# Altium PCB ESC_type_6_000.PcbDoc (part 1 of 3)
Units mil, origin at the board's own origin, x right, y up, seen from the top; angles counter-clockwise.
Board outline 2362.34 x 2362.34 mil, 4 copper layers (Top Layer, Signal Layer 1, Signal Layer 2, Bottom Layer), stack 65.634 mil thick; 137 components, 109 nets, 523 pads, 654 vias.
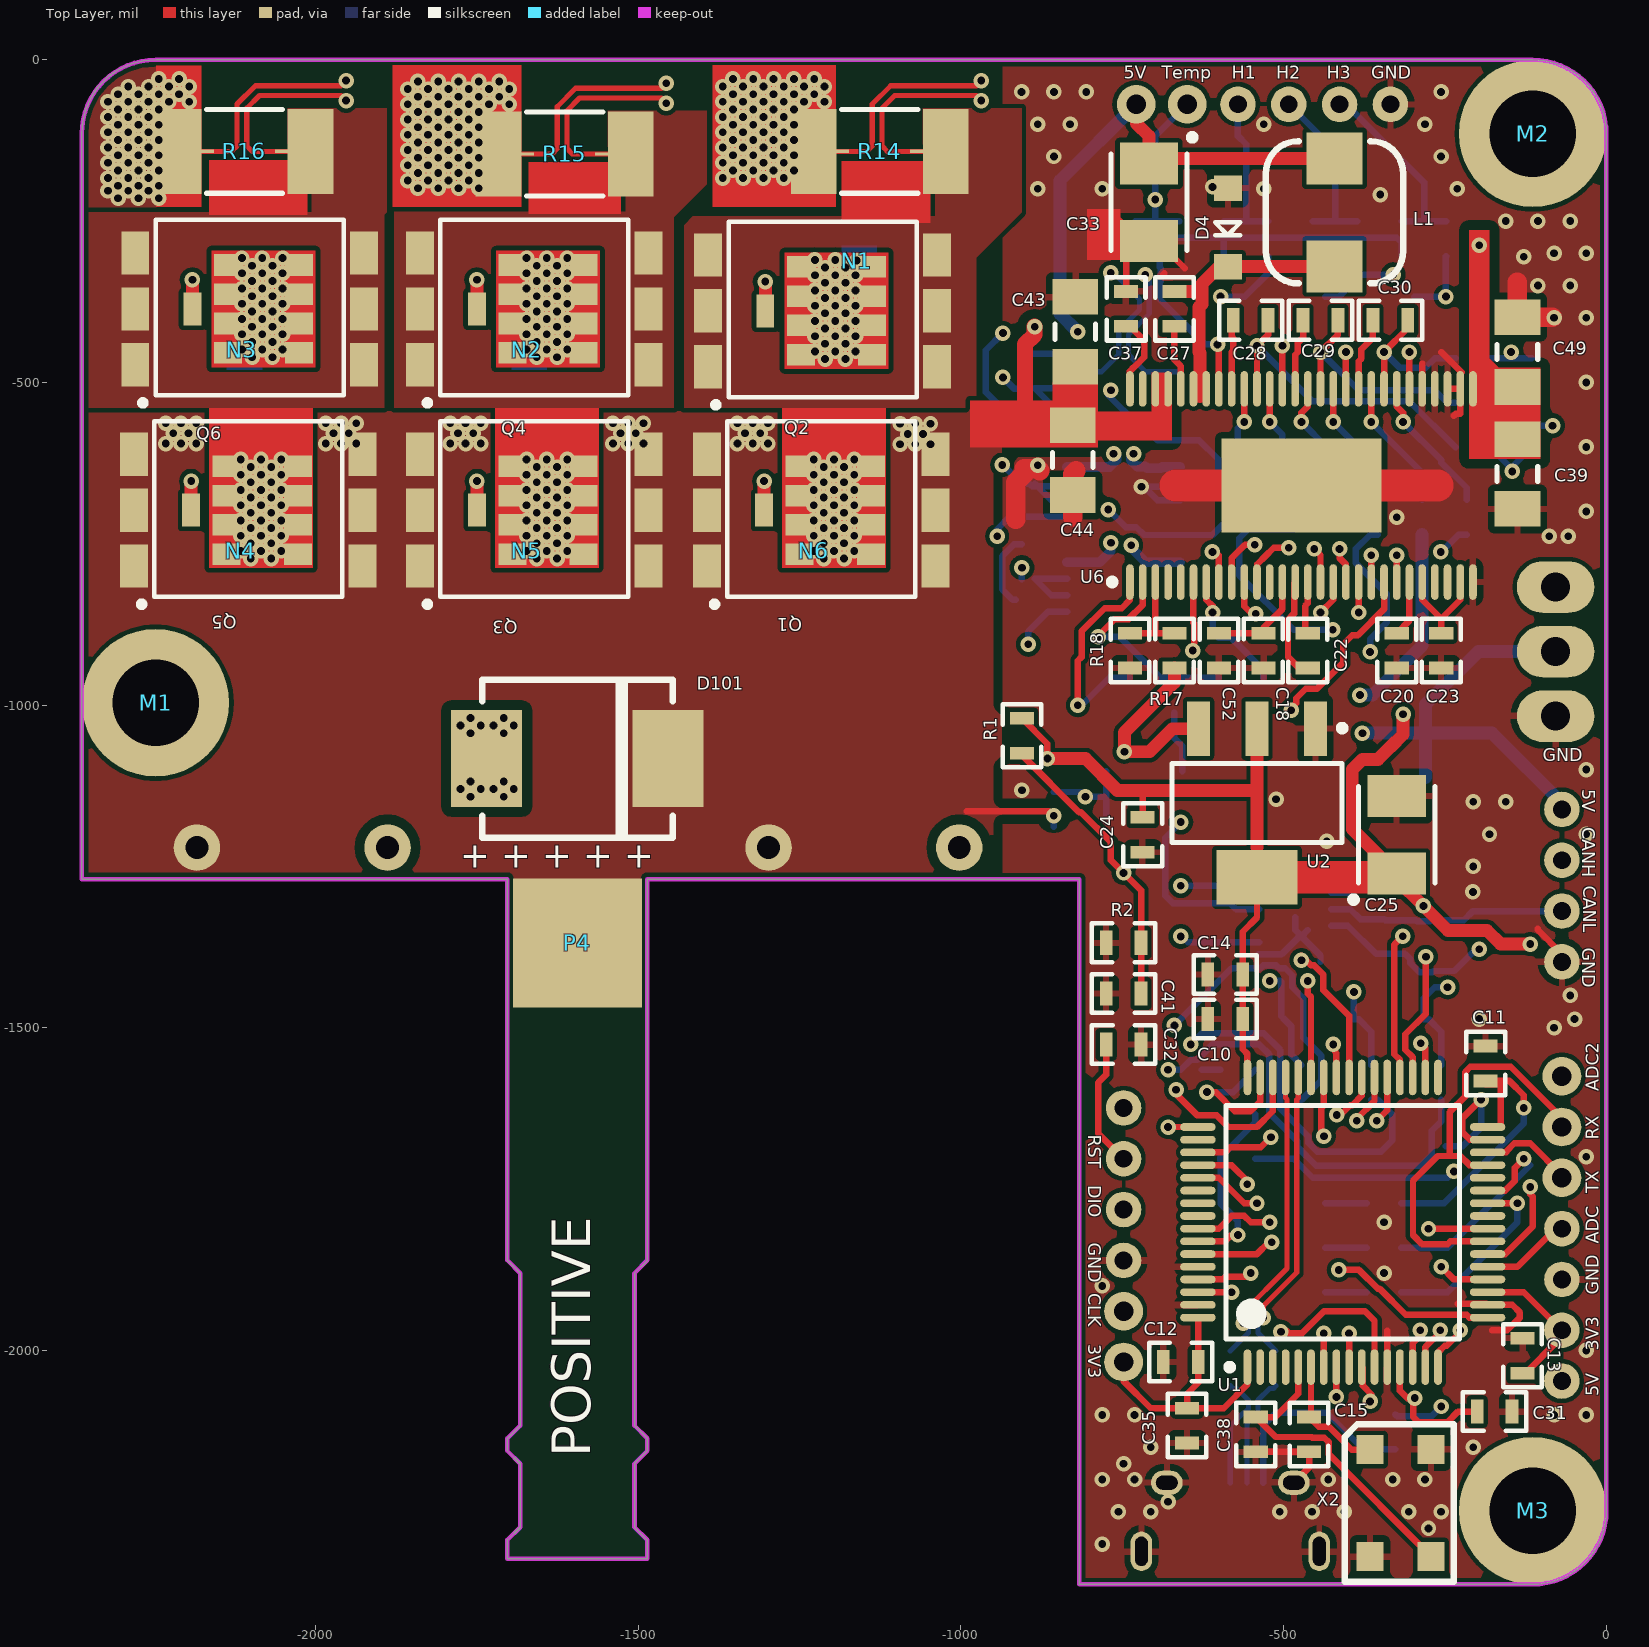
[diagram p0: Top Layer view]
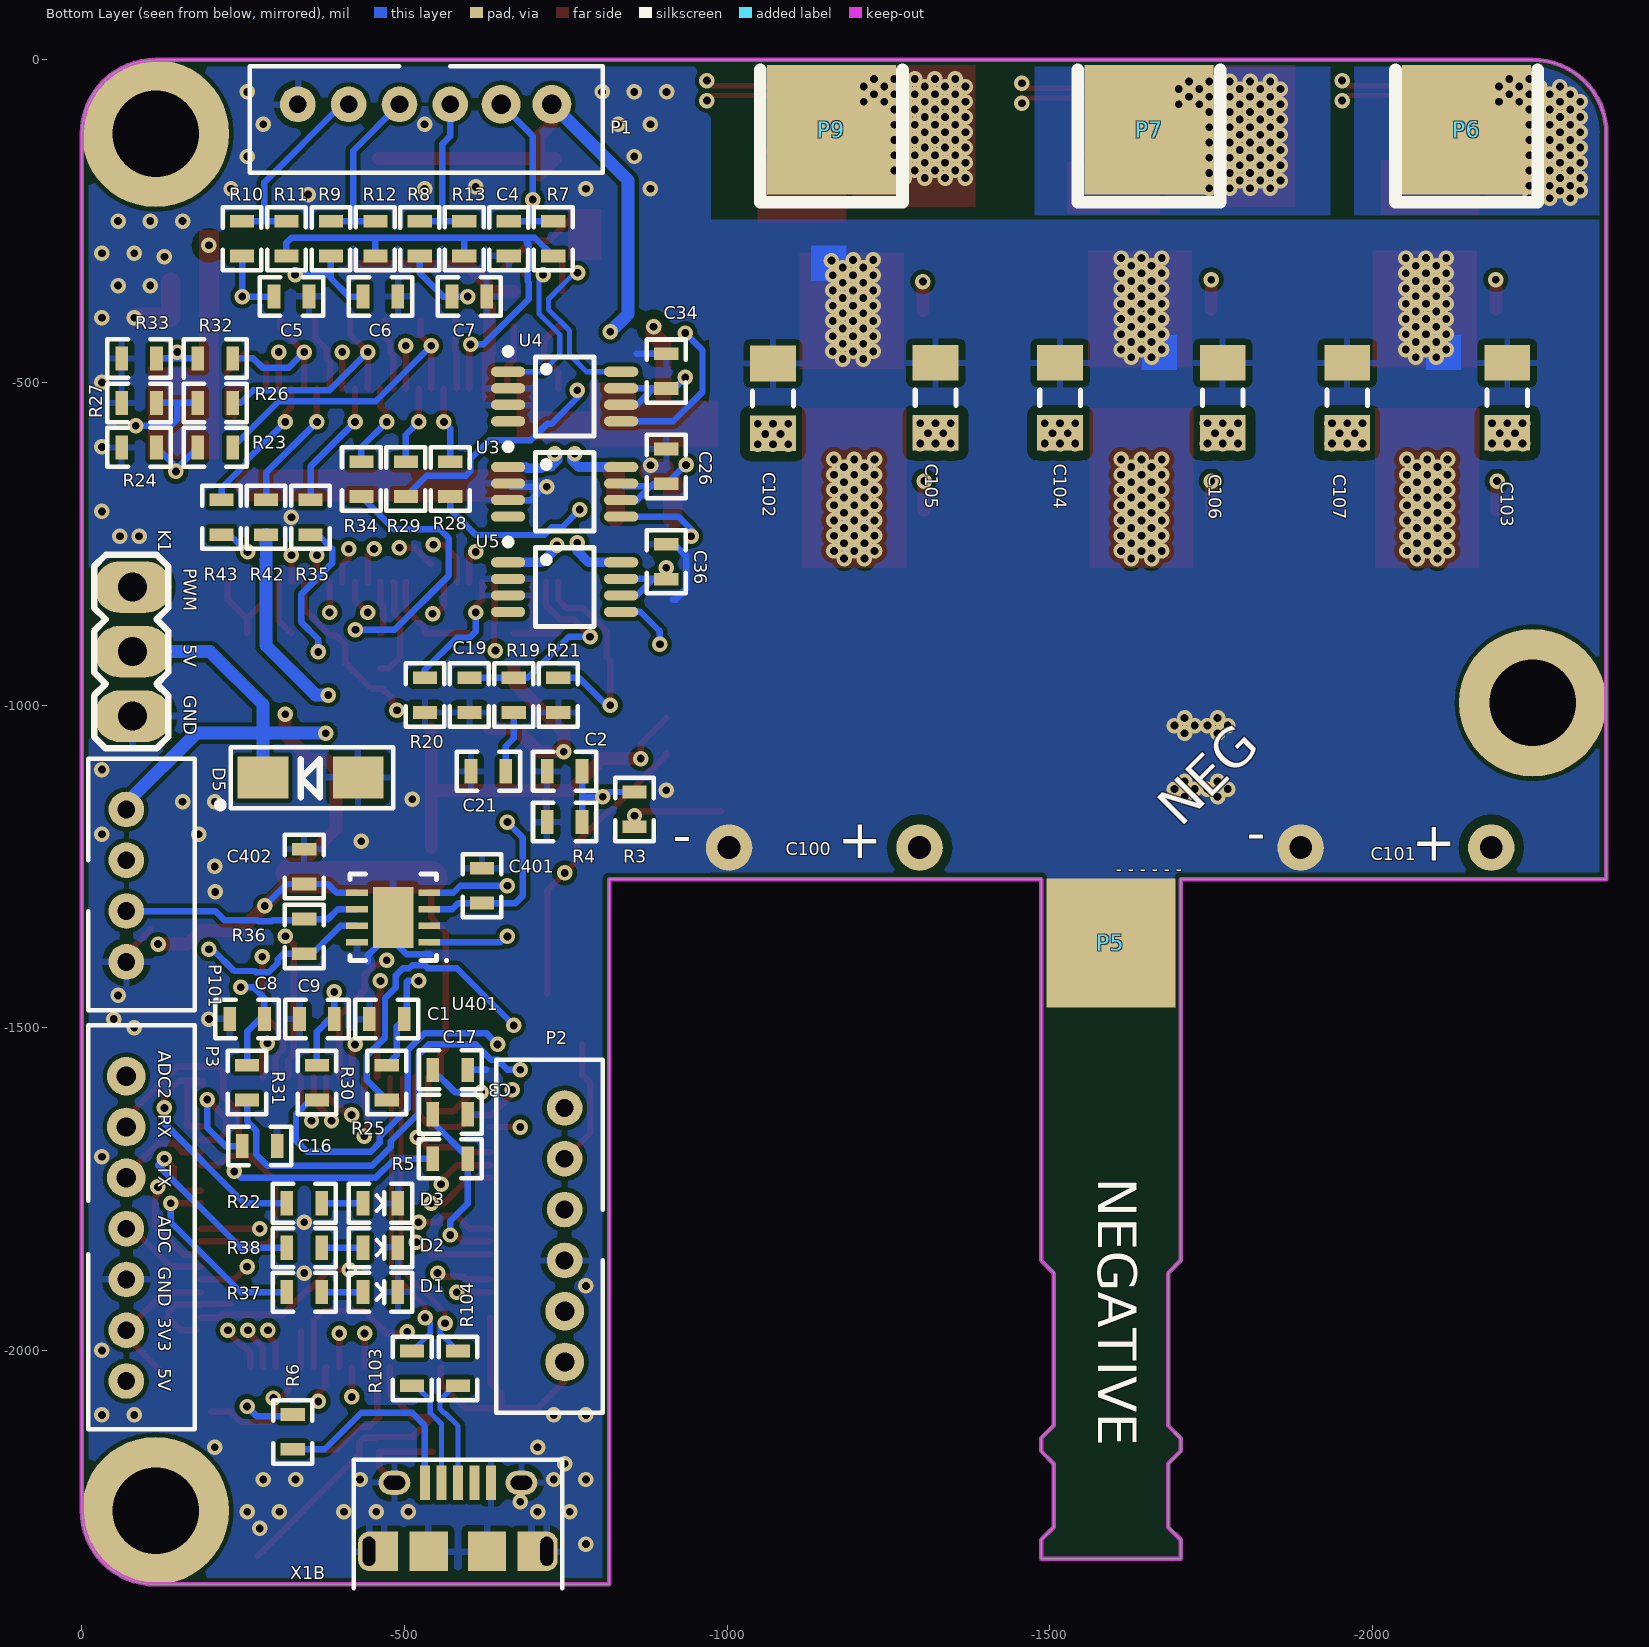
[diagram p1: Bottom Layer view, seen from below]
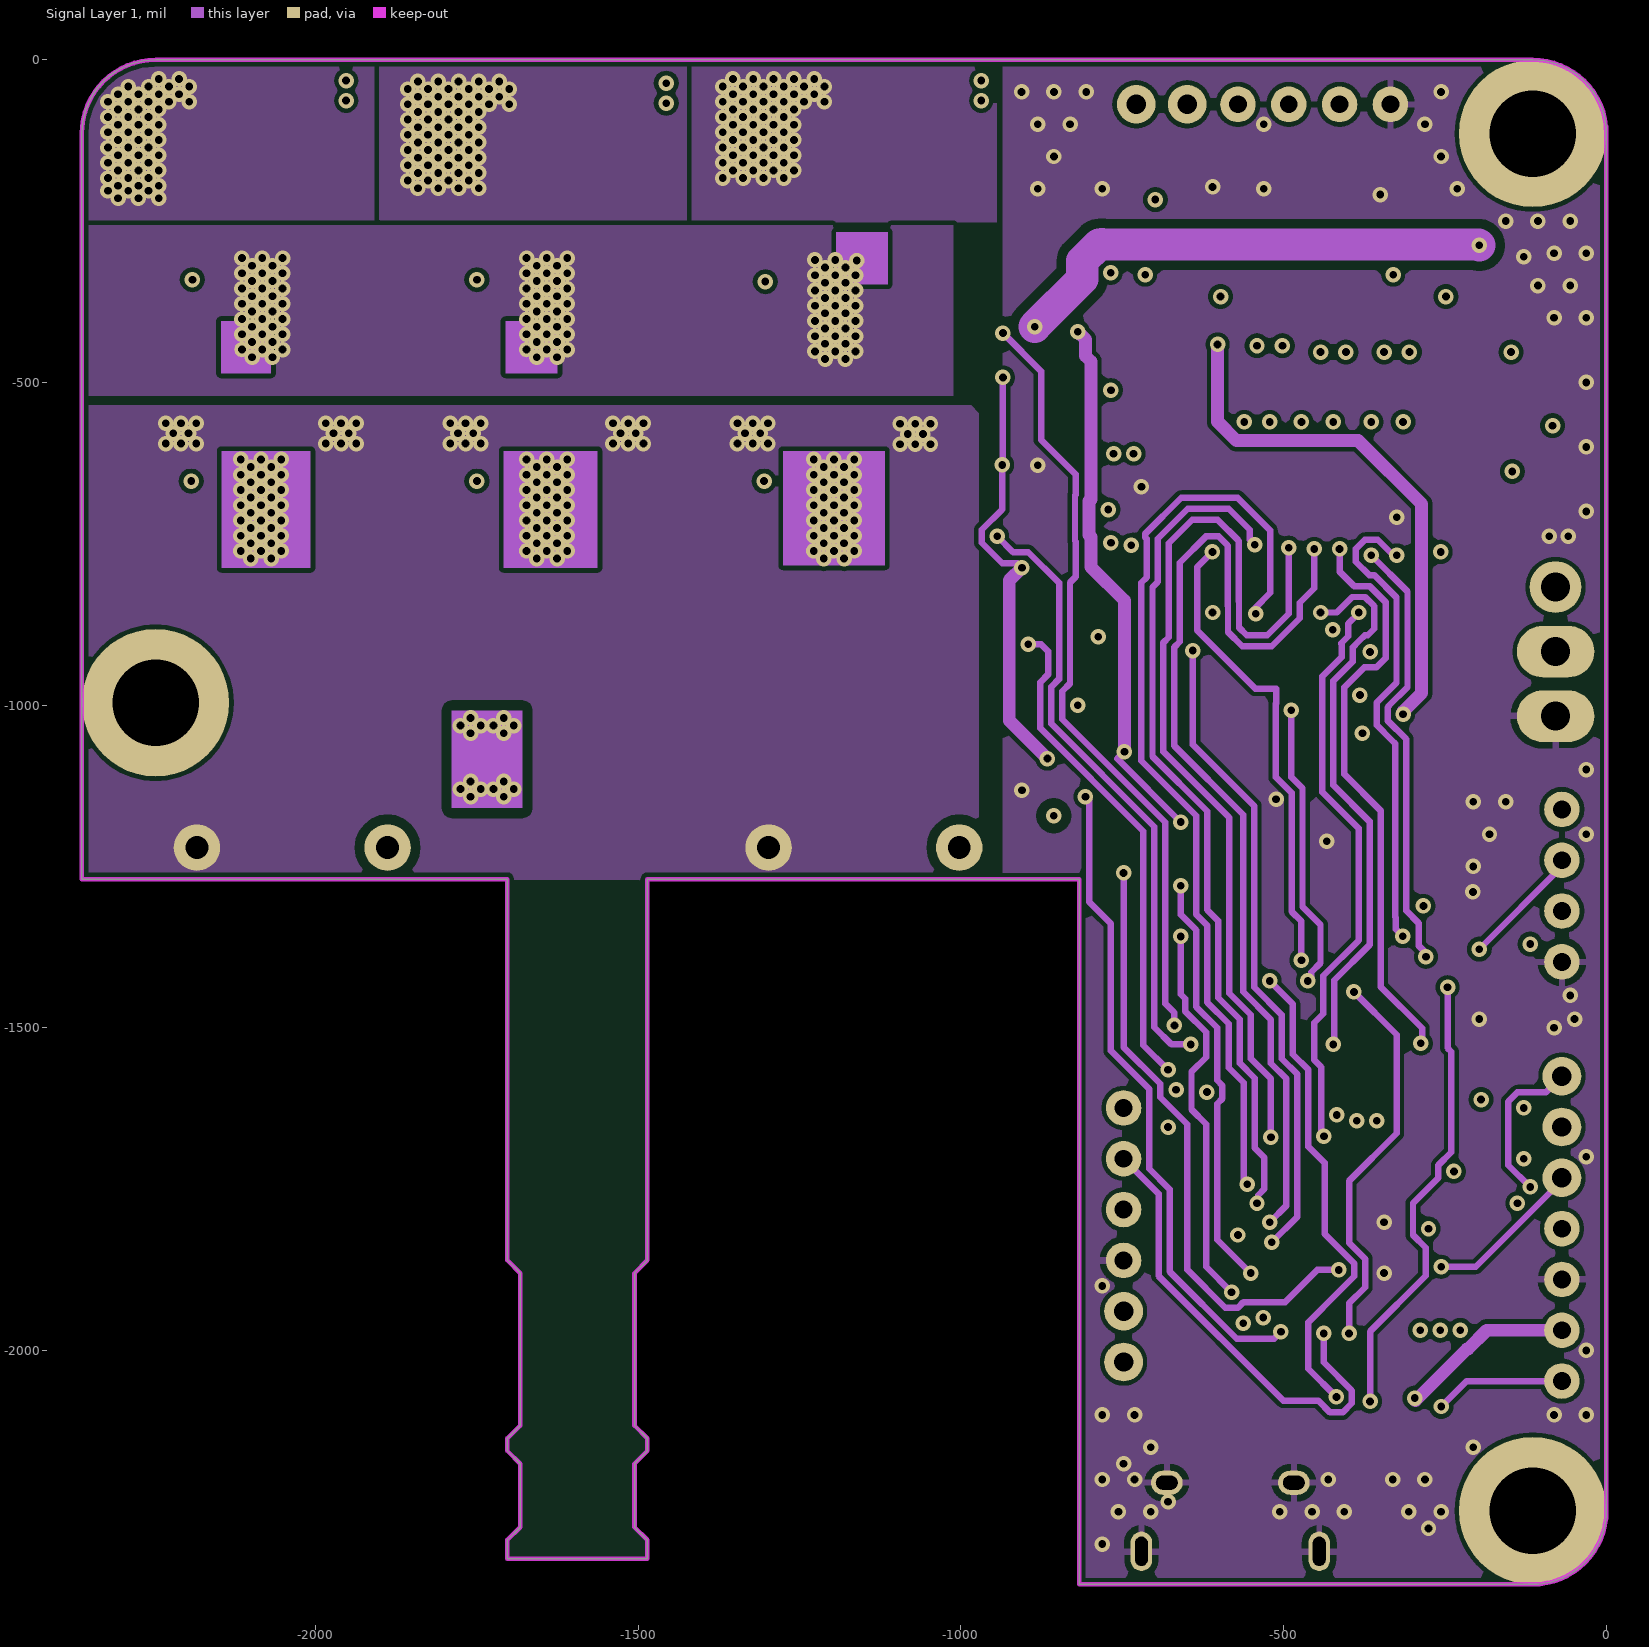
[diagram p2: Signal Layer 1]
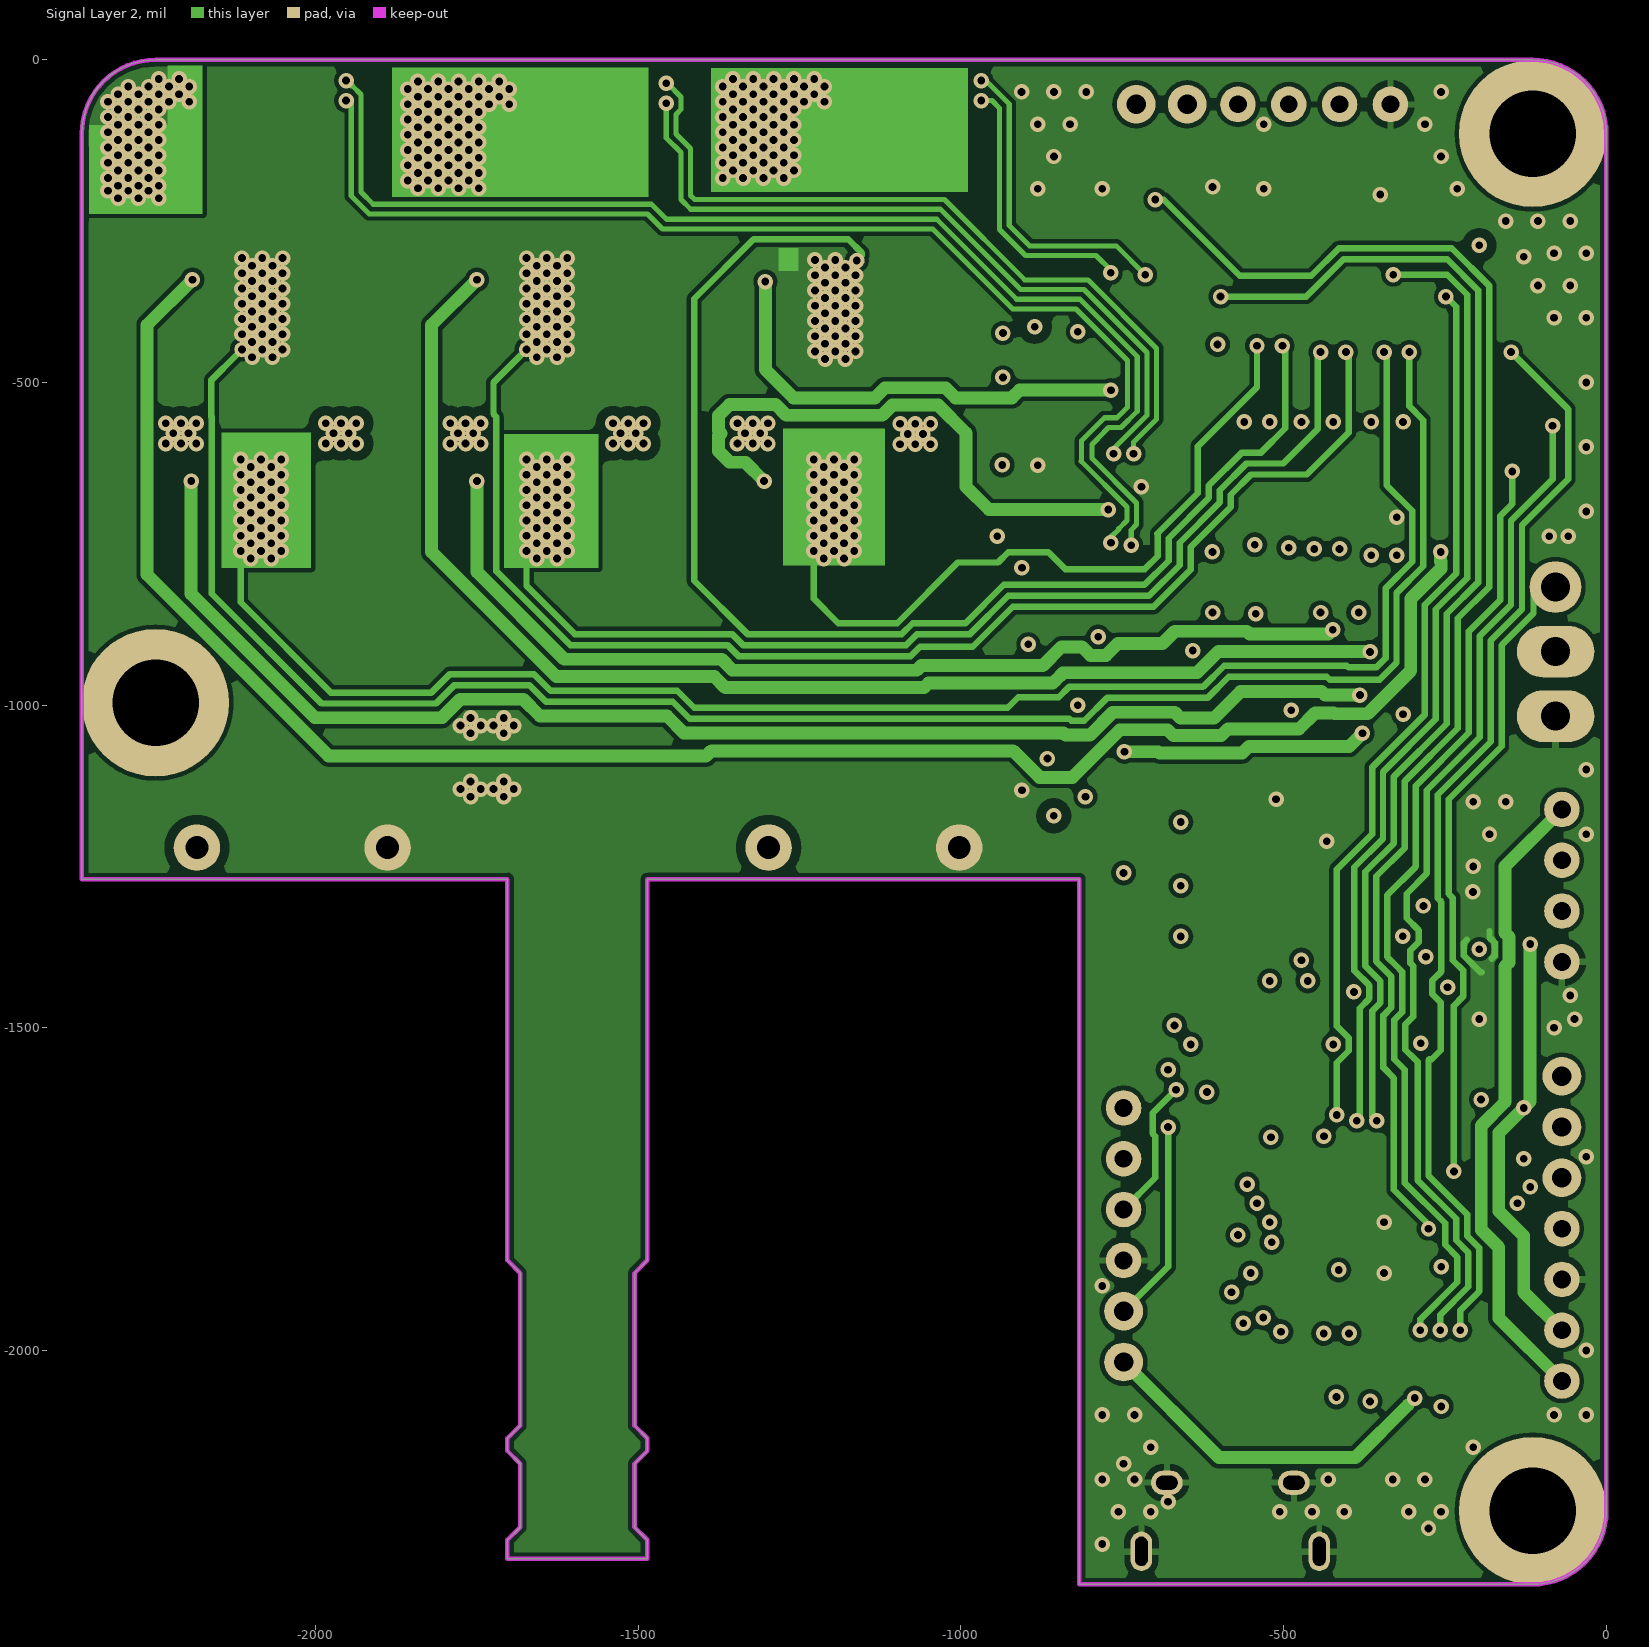
[diagram p3: Signal Layer 2]
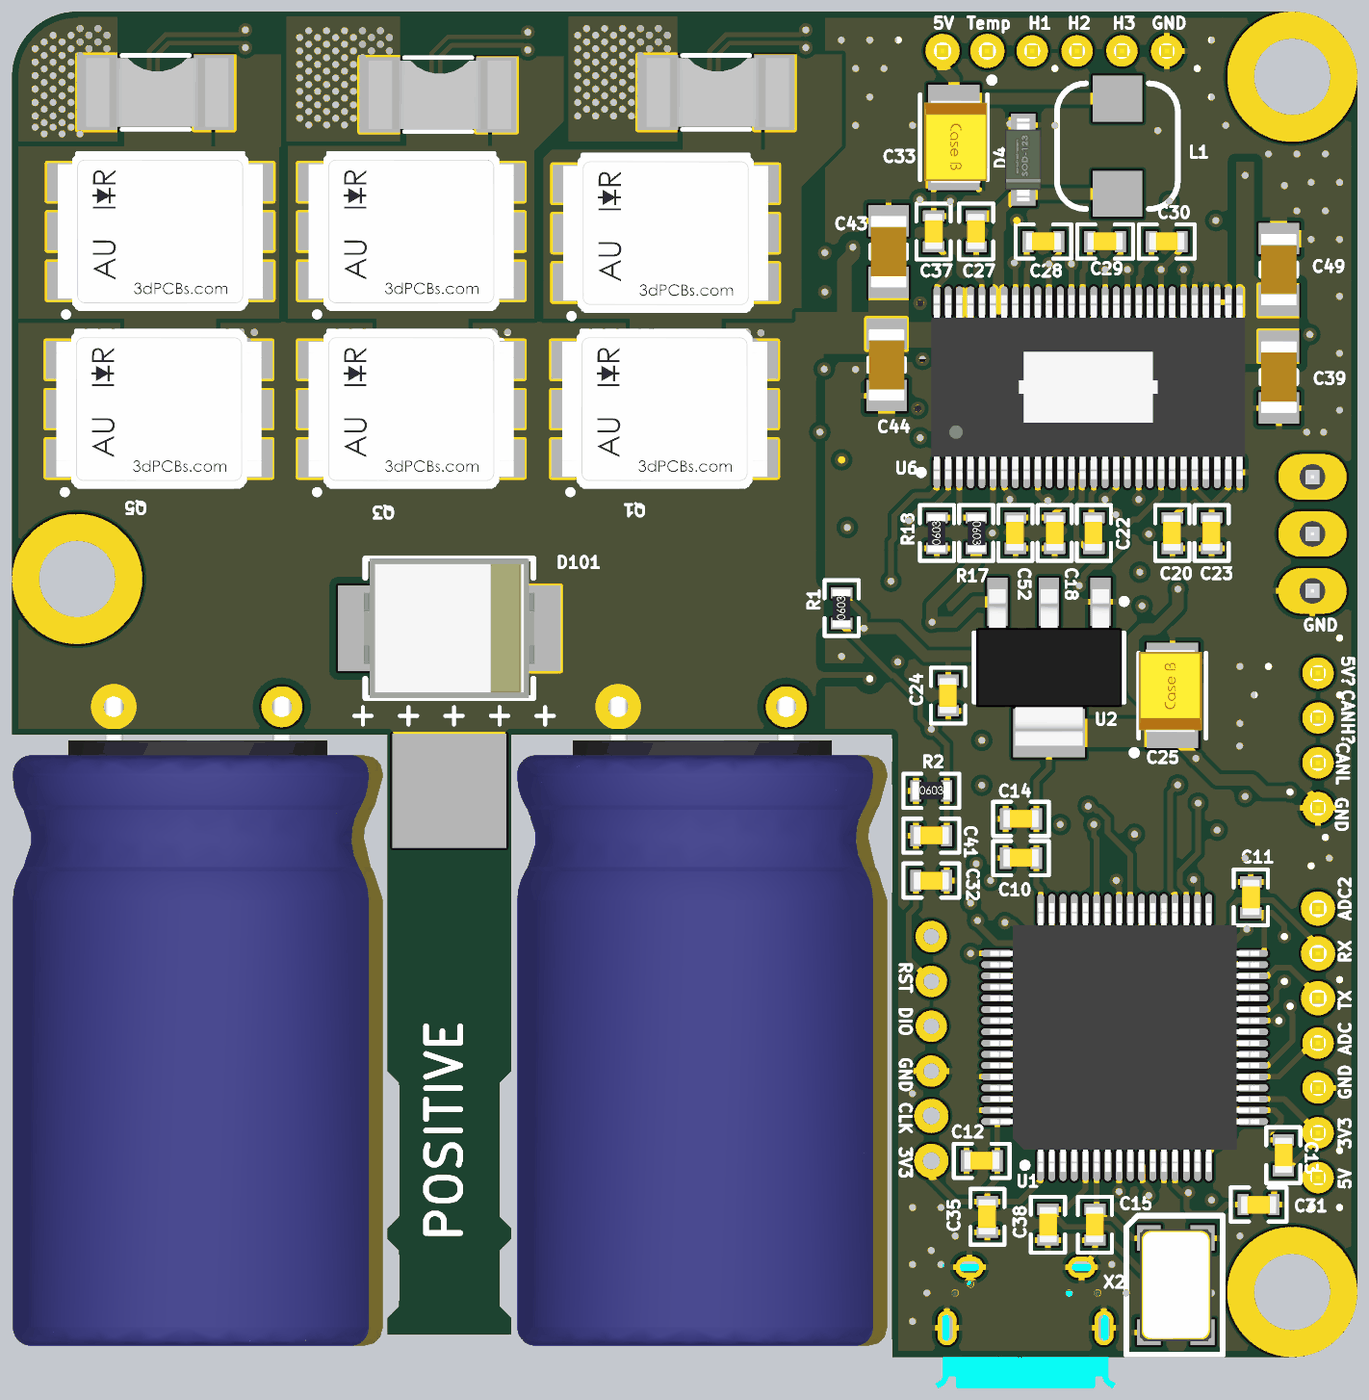
[diagram p6: 3D render of the assembled board from above, using the file's embedded part models]
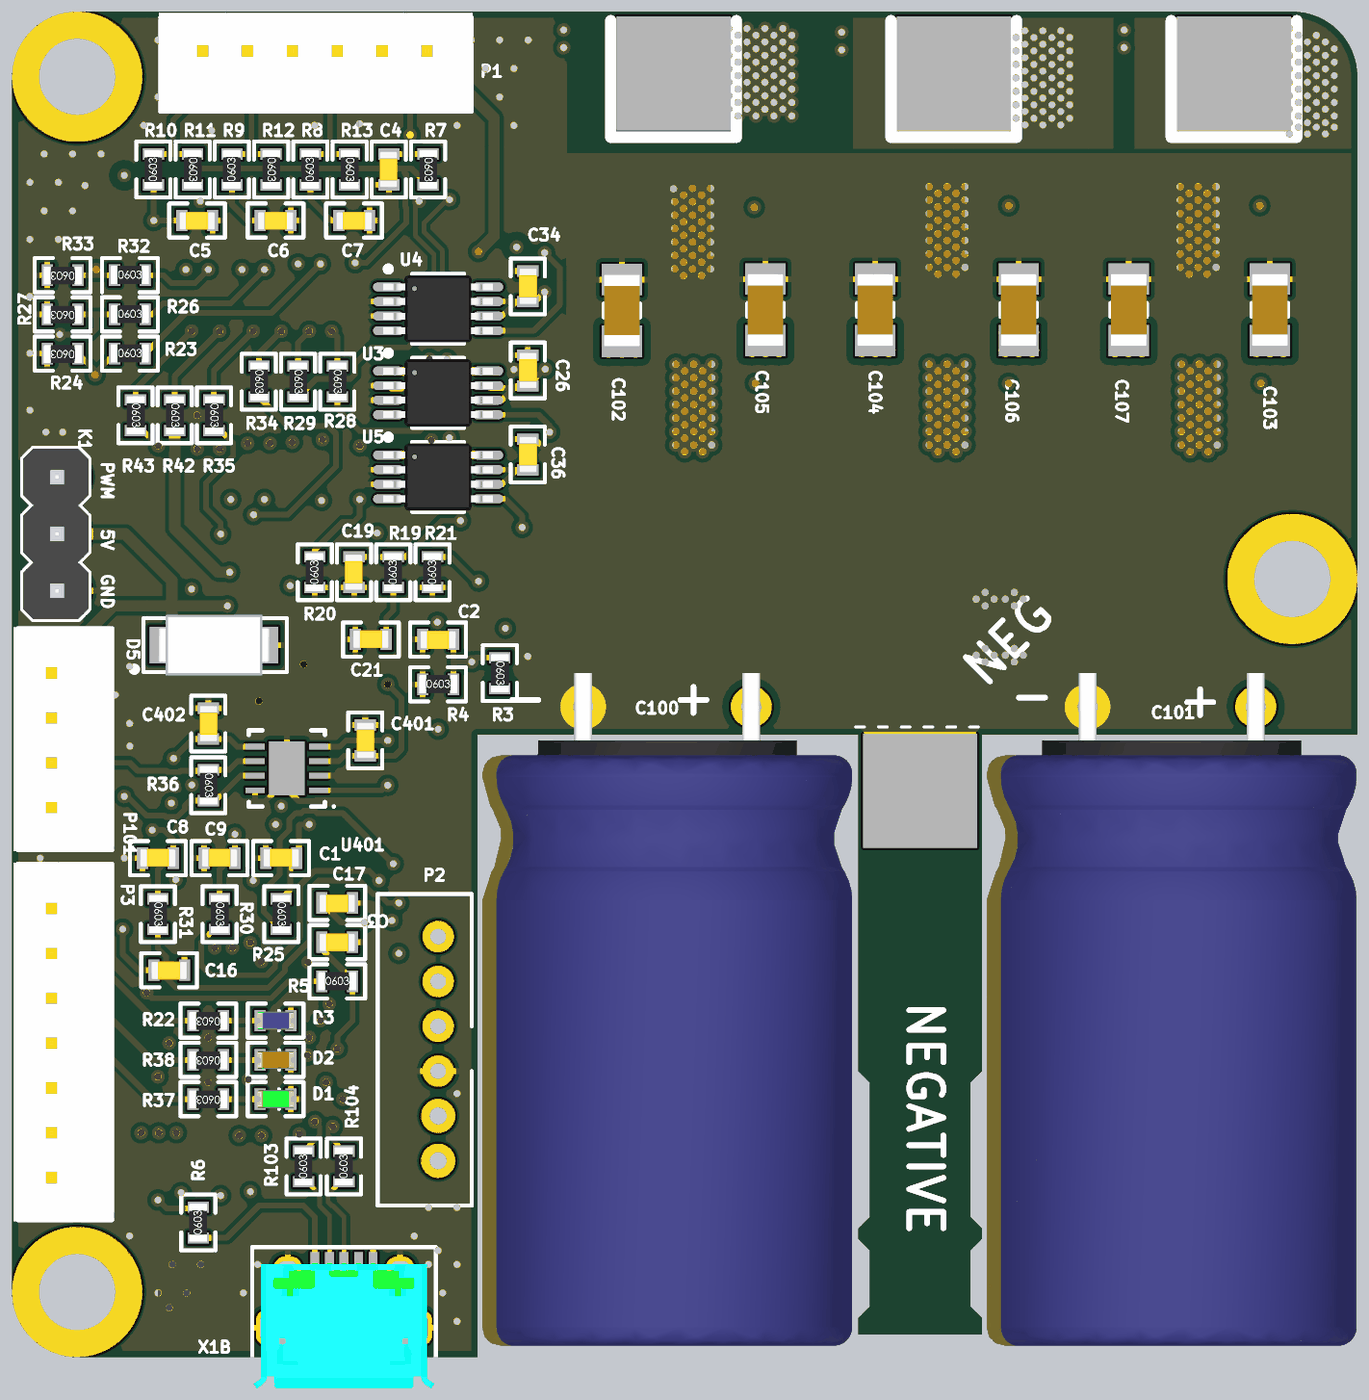
[diagram p7: 3D render of the assembled board from below, using the file's embedded part models]

## Layer stack, top to bottom
Top Solder: solder mask 0.4, Solder Resist, Dk 3.5
Top Layer: signal copper 1.4
Dielectric 1: core 20, FR-4, Dk 4.2
Signal Layer 1: signal copper 1.417
Dielectric 3: prepreg 20, Dk 4.2
Signal Layer 2: signal copper 1.417
Dielectric 2: core 20, Dk 4.2
Bottom Layer: signal copper 1.4
Bottom Solder: solder mask 0.4, Solder Resist, Dk 3.5

## Board outline
-1702.76,-2322.83 -1702.76,-2293.31 -1683.07,-2273.62 -1683.07,-2175.2 -1702.76,-2155.51 -1702.76,-2135.83 -1683.07,-2116.14 -1683.07,-1879.92 -1702.76,-1860.24 -1702.76,-1269.68 -2362.21,-1269.68 -2362.21,-114.17 -2362.27,-114.17 cw(c-2248.03,-114.17) -2248.03,0.07 -2248.03,0 -114.24,0 -114.24,0.07 cw(c-114.24,-114.17) 0,-114.17 0,-2248.03 0.07,-2248.03 cw(c-114.17,-2248.03) -114.17,-2362.27 -114.17,-2362.2 -816.93,-2362.2 -816.93,-1269.68 -1486.22,-1269.68 -1486.22,-1860.24 -1505.91,-1879.92 -1505.91,-2116.14 -1486.22,-2135.83 -1486.22,-2155.51 -1505.91,-2175.2 -1505.91,-2273.62 -1486.22,-2293.31 -1486.22,-2322.83
